# Altium PCB PCB MODULE AM625.PcbDoc (part 1 of 4) (continued)
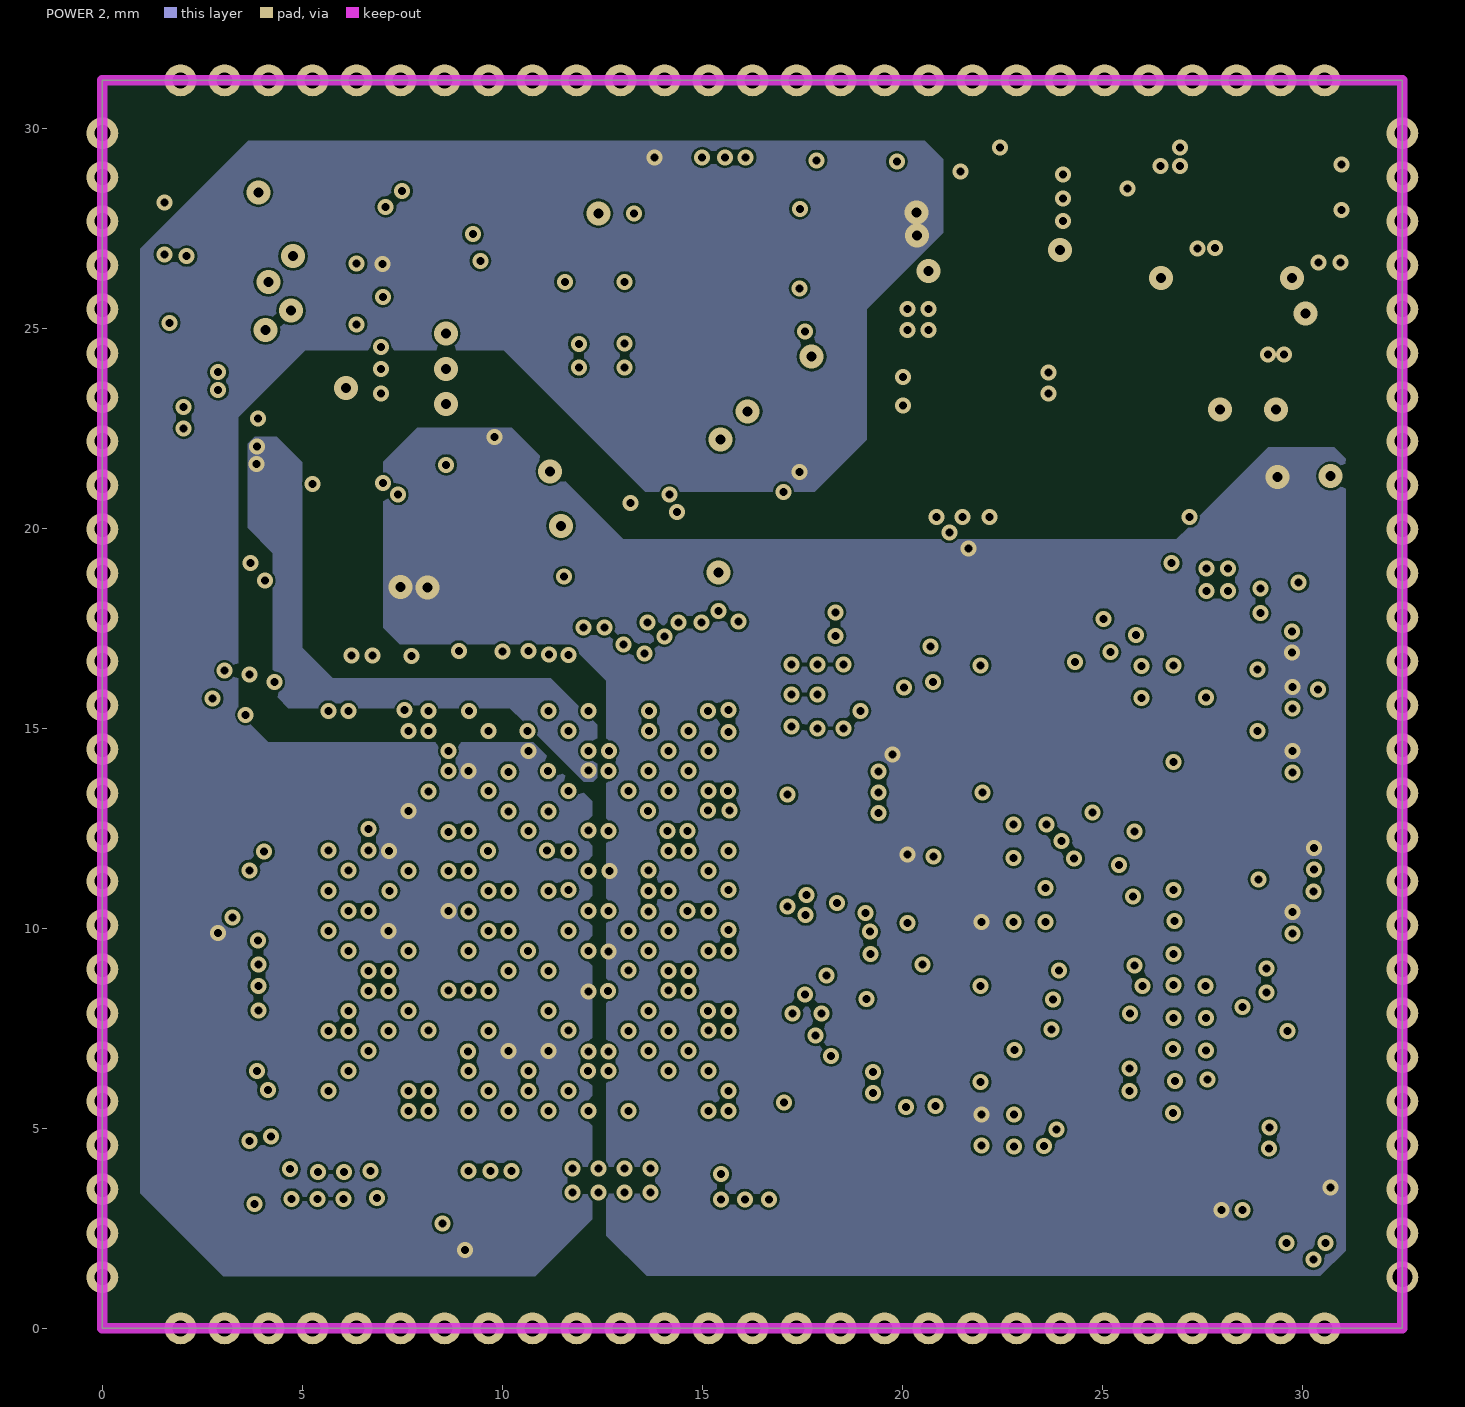
[diagram p7: POWER 2]
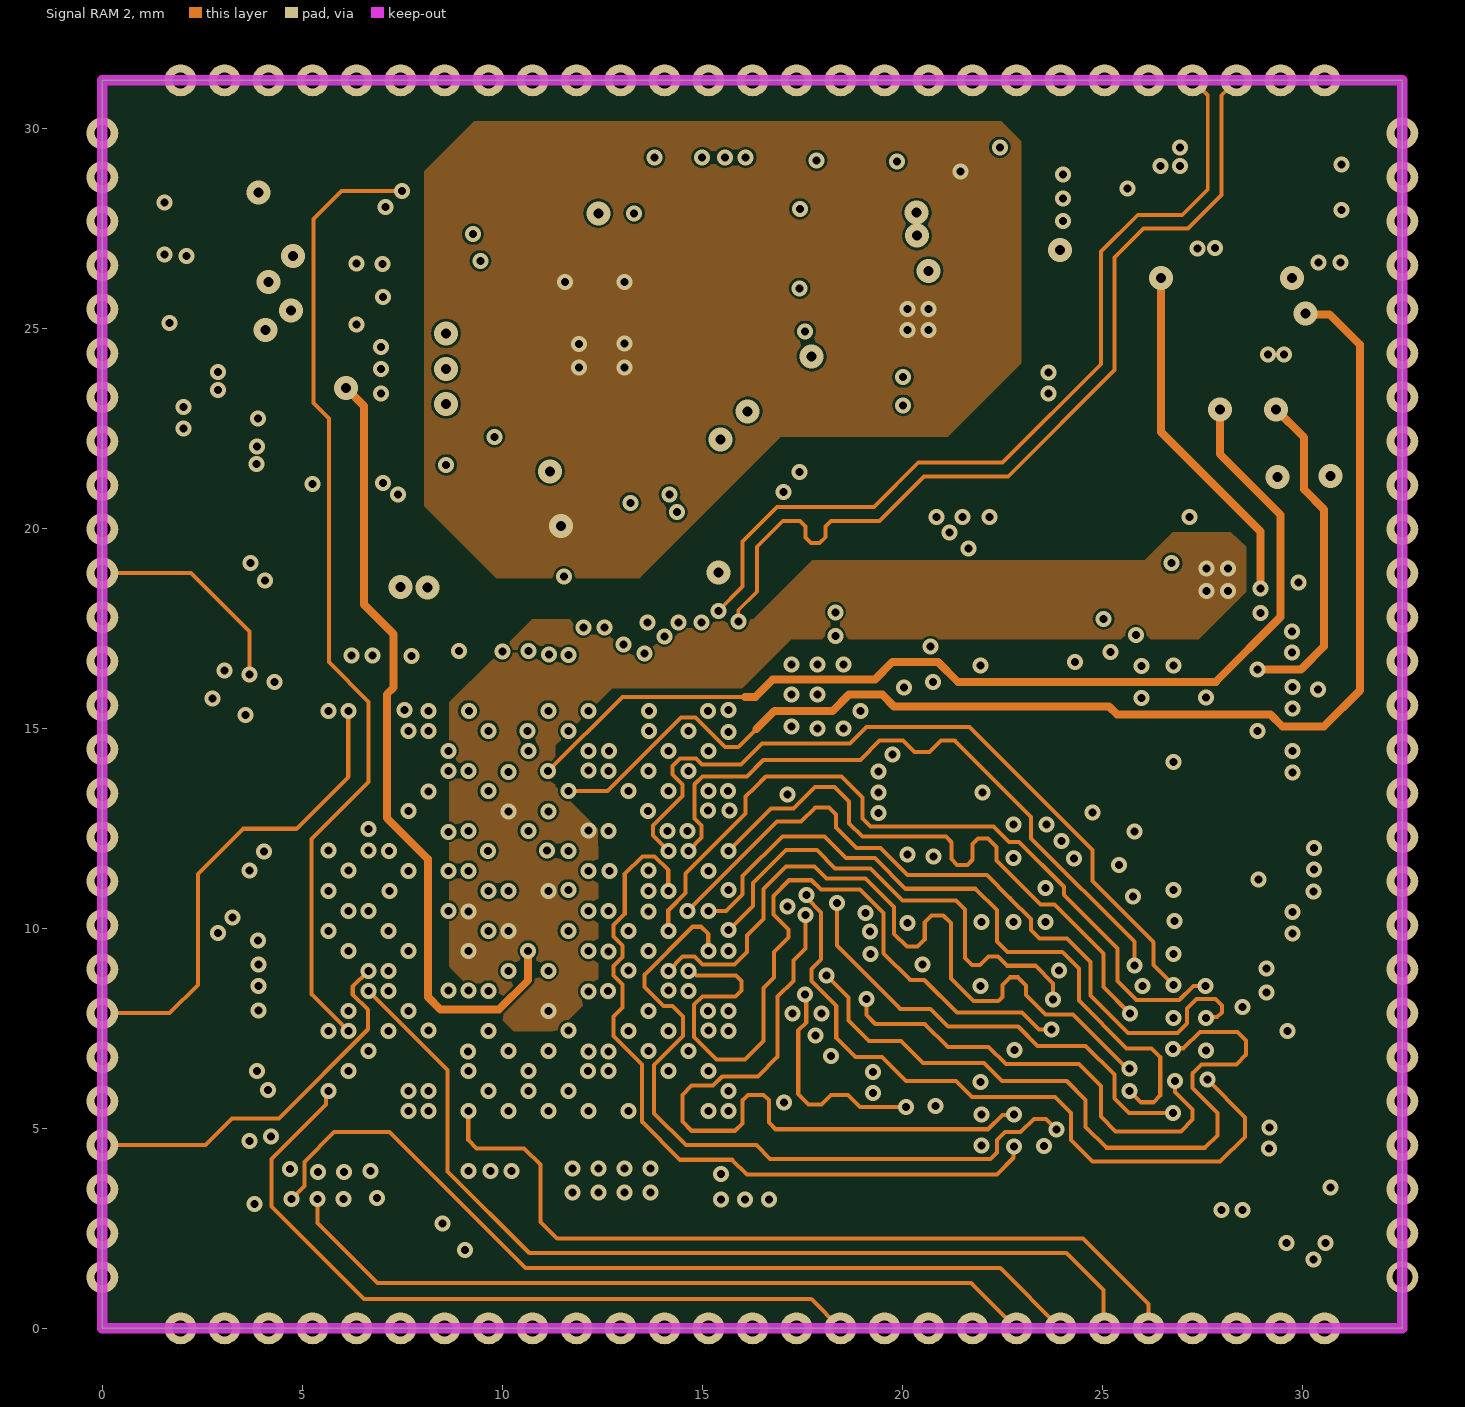
[diagram p8: Signal RAM 2]
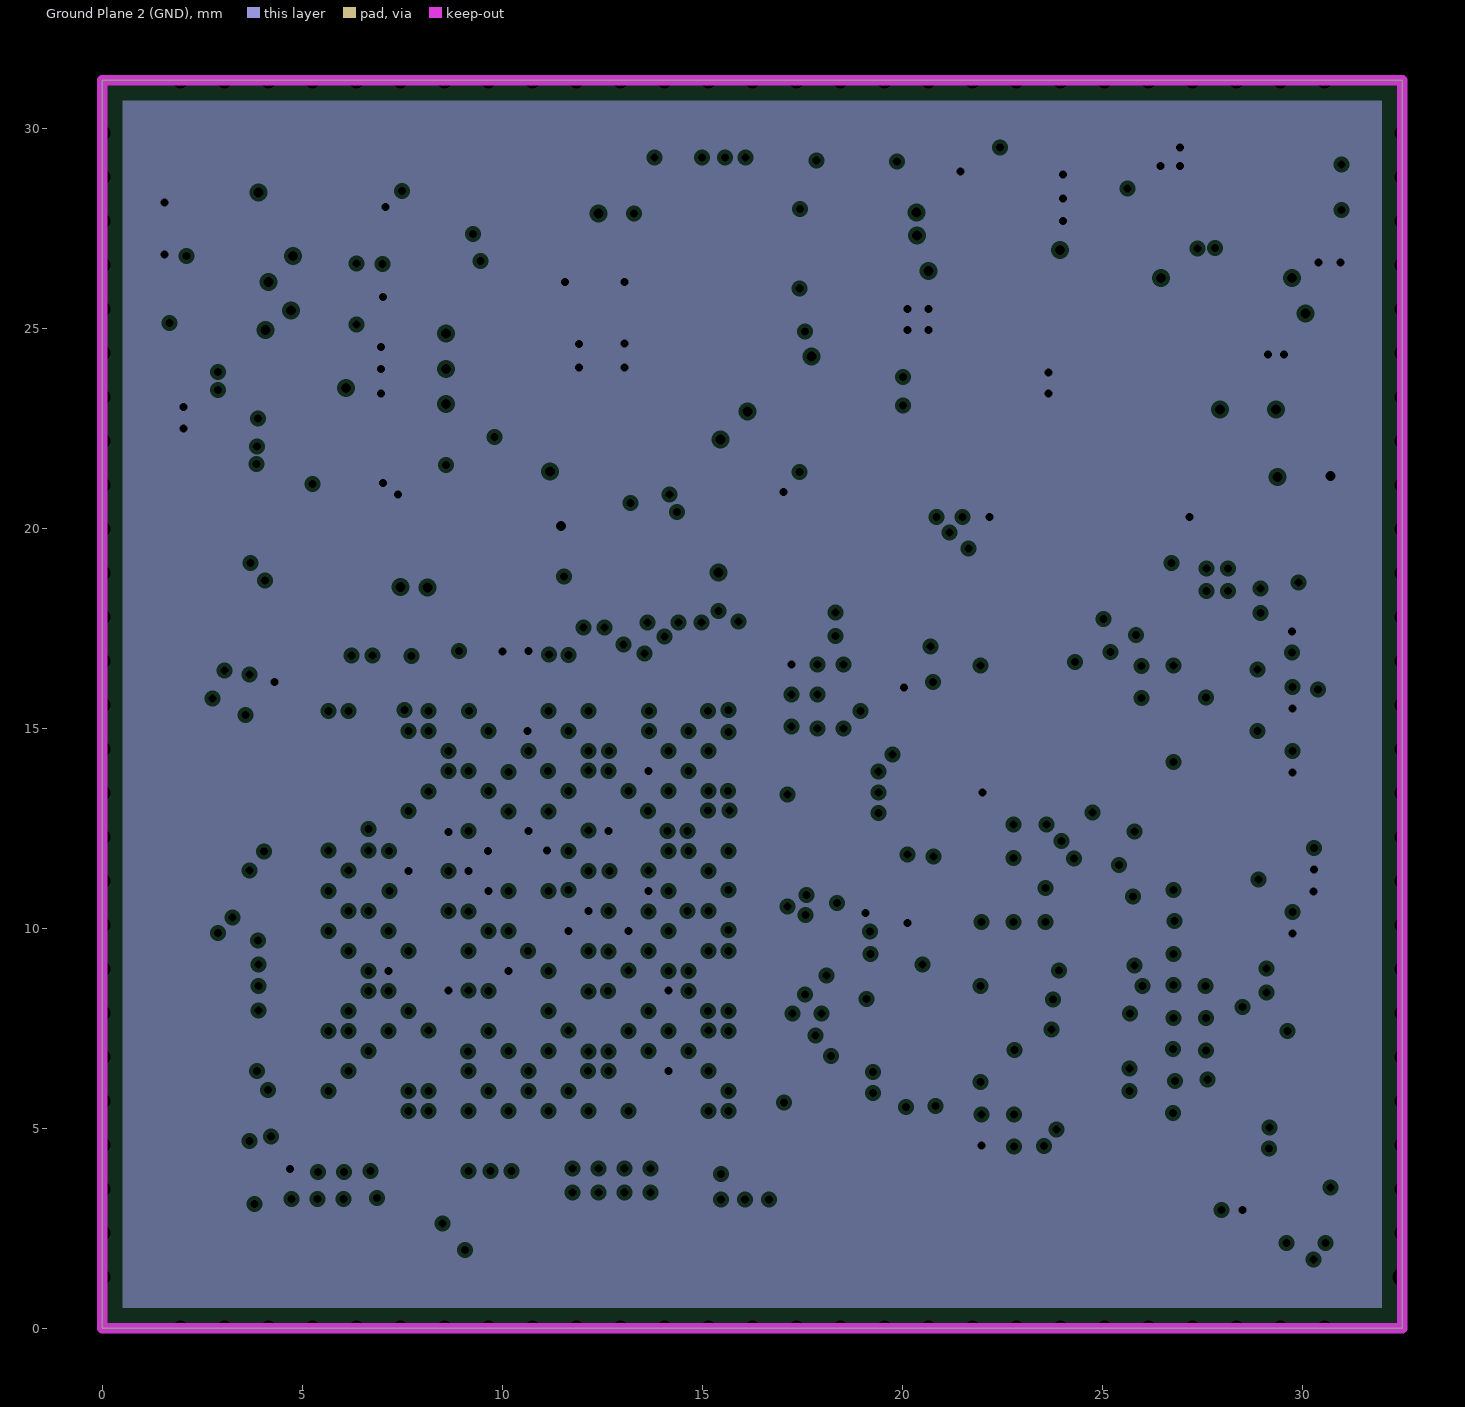
[diagram p9: Ground Plane 2 (GND), clearances drawn from the general rule]

## Layer stack, top to bottom
Top Solder: solder mask 0.02, Solder Resist, Dk 3.5
Signal TOP: signal copper 0.04
Dielectric 1: prepreg 0.072, FR-4, Dk 4.2
Ground Plane 1 (GND): plane copper 0.015, net GND
Dielectric 3: core 0.1, Dk 4.2
Signal RAM 1: signal copper 0.015
Dielectric 6: prepreg 0.201, Dk 4.2
POWER 1: signal copper 0.015
Dielectric 5: core 0.1, Dk 4.2
Signal IO 1: signal copper 0.015
Dielectric 9: prepreg 0.416, PP-006, Dk 4.2
Signal IO 2: signal copper 0.015
Dielectric 2: core 0.1, PP-006, Dk 4.2
POWER 2: signal copper 0.015
Dielectric 4: prepreg 0.202, Dk 4.2
Signal RAM 2: signal copper 0.015
Dielectric 7: core 0.1, Dk 4.2
Ground Plane 2 (GND): plane copper 0.015, net GND
Dielectric 8: prepreg 0.072, Dk 4.2
Signal Bottom: signal copper 0.04
Bottom Solder: solder mask 0.02, Solder Resist, Dk 3.5

## Board outline
0,0 0,31.2 32.5,31.2 32.5,0

## Design rules (kind name [scope] priority, off if disabled: settings)
Clearance "Signal Tracks" [IsTrack and not(InNetClass('DIFF100') or InNetClass('DIFF90')) and (Width <= 0.3) vs IsTrack and (Width <= 0.3)] p1: gap=0.1 ignorepadtopadclearanceinfootprint=TRUE
Clearance "Clearance Non Plated Holes" [InPadClass('NPTH')] p2: gap=0.5 ignorepadtopadclearanceinfootprint=TRUE
Clearance "Pad Clearance" [IsPad vs ispad] p3: gap=0.2 ignorepadtopadclearanceinfootprint=TRUE
Clearance [All] p4: gap=0.064 ignorepadtopadclearanceinfootprint=TRUE
DiffPairsRouting Diffpair_DIFF90DiffPairsRouting [InDifferentialPairClass('DIFF90')] p1: maxlimit=0.132 minlimit=0.104 mostfreqgap=0.132 toplayer_maxgap=0.104 toplayer_prefgap=0.104 toplayer_minwidth=0.099 toplayer_maxwidth=0.099 toplayer_prefwidth=0.099 midlayer1_mingap=0.119 midlayer1_maxgap=0.119 midlayer1_prefgap=0.119 midlayer1_minwidth=0.097 midlayer1_maxwidth=0.097 midlayer1_prefwidth=0.097 midlayer2_mingap=0.127 midlayer2_maxgap=0.127 midlayer2_prefgap=0.127 midlayer2_minwidth=0.104 midlayer2_maxwidth=0.104 midlayer2_prefwidth=0.104 midlayer3_mingap=0.124 midlayer3_maxgap=0.124 midlayer3_prefgap=0.124 midlayer3_minwidth=0.099 midlayer3_maxwidth=0.099 midlayer3_prefwidth=0.099 midlayer4_mingap=0.127 midlayer4_maxgap=0.127 midlayer4_prefgap=0.127 midlayer4_minwidth=0.104 midlayer4_maxwidth=0.104 midlayer4_prefwidth=0.104 midlayer5_mingap=0.132 midlayer5_minwidth=0.109 midlayer5_maxwidth=0.109 midlayer5_prefwidth=0.109 midlayer6_mingap=0.132 midlayer6_minwidth=0.109 midlayer6_maxwidth=0.109 midlayer6_prefwidth=0.109 bottomlayer_maxgap=0.104 bottomlayer_prefgap=0.104 bottomlayer_minwidth=0.099 bottomlayer_maxwidth=0.099 bottomlayer_prefwidth=0.099 maxuncoupledlength=8
DiffPairsRouting Diffpair_DIFF100DiffPairsRouting [InDifferentialPairClass('DIFF100')] p2: maxlimit=0.251 minlimit=0.1 mostfreqgap=0.246 toplayer_prefgap=0.251 toplayer_minwidth=0.099 toplayer_maxwidth=0.104 toplayer_prefwidth=0.104 midlayer1_mingap=0.246 midlayer1_maxgap=0.246 midlayer1_minwidth=0.097 midlayer1_maxwidth=0.097 midlayer1_prefwidth=0.097 midlayer2_mingap=0.127 midlayer2_maxgap=0.127 midlayer2_prefgap=0.127 midlayer2_minwidth=0.079 midlayer2_maxwidth=0.079 midlayer2_prefwidth=0.079 midlayer3_mingap=0.246 midlayer3_maxgap=0.246 midlayer3_minwidth=0.097 midlayer3_maxwidth=0.097 midlayer3_prefwidth=0.097 midlayer4_mingap=0.127 midlayer4_maxgap=0.127 midlayer4_prefgap=0.127 midlayer4_minwidth=0.08 midlayer4_maxwidth=0.08 midlayer4_prefwidth=0.08 midlayer5_mingap=0.246 midlayer5_maxgap=0.246 midlayer5_minwidth=0.104 midlayer5_maxwidth=0.104 midlayer5_prefwidth=0.104 midlayer6_mingap=0.24 midlayer6_maxgap=0.246 midlayer6_minwidth=0.104 midlayer6_maxwidth=0.104 midlayer6_prefwidth=0.104 bottomlayer_mingap=0.251 bottomlayer_prefgap=0.251 bottomlayer_minwidth=0.104 bottomlayer_maxwidth=0.104 bottomlayer_prefwidth=0.104 maxuncoupledlength=9
DiffPairsRouting [All] p3: maxlimit=0.254 minlimit=0.254 mostfreqgap=0.254 toplayer_minwidth=0.381 toplayer_maxwidth=0.381 toplayer_prefwidth=0.381 midlayer1_minwidth=0.381 midlayer1_maxwidth=0.381 midlayer1_prefwidth=0.381 midlayer2_minwidth=0.381 midlayer2_maxwidth=0.381 midlayer2_prefwidth=0.381 midlayer3_minwidth=0.381 midlayer3_maxwidth=0.381 midlayer3_prefwidth=0.381 midlayer4_minwidth=0.381 midlayer4_maxwidth=0.381 midlayer4_prefwidth=0.381 midlayer5_minwidth=0.381 midlayer5_maxwidth=0.381 midlayer5_prefwidth=0.381 midlayer6_minwidth=0.381 midlayer6_maxwidth=0.381 midlayer6_prefwidth=0.381 bottomlayer_minwidth=0.381 bottomlayer_maxwidth=0.381 bottomlayer_prefwidth=0.381 maxuncoupledlength=12.7
HoleSize [All] p1: absolutevalues=TRUE maxlimit=6 minlimit=0.025 maxpercent=80.000 minpercent=20.000
HoleToHoleClearance [All] p1: gap=0.1 allowstackedmicrovias=TRUE
MatchedLengths MatchedLengths_DDR_CLOCKS_STROBES_3 [InxSignalClass('ADDR_PP1') OR InxSignalClass('DATA_BL0') OR InxSignalClass('DATA_BL1')] p1: tolerance=0 checknetsindiffpair=TRUE checkdiffpairvsdiffpair=FALSE checkxsignals=FALSE checkothers=FALSE
MatchedLengths MatchedLengths_DATA_BL1_3 [InxSignalClass('DATA_BL1')] p2: tolerance=0 checknetsindiffpair=FALSE checkdiffpairvsdiffpair=TRUE checkxsignals=TRUE checkothers=TRUE
MatchedLengths MatchedLengths_DATA_BL0_3 [InxSignalClass('DATA_BL0')] p3: tolerance=0 checknetsindiffpair=FALSE checkdiffpairvsdiffpair=TRUE checkxsignals=TRUE checkothers=TRUE
MatchedLengths MatchedLengths_DDR_CLOCKS_STROBES_2 [InxSignalClass('ADDR_PP1') OR InxSignalClass('DATA_BL0') OR InxSignalClass('DATA_BL1')] p4: tolerance=0 checknetsindiffpair=TRUE checkdiffpairvsdiffpair=FALSE checkxsignals=FALSE checkothers=FALSE
MatchedLengths MatchedLengths_DATA_BL1_2 [InxSignalClass('DATA_BL1')] p5: tolerance=0 checknetsindiffpair=FALSE checkdiffpairvsdiffpair=TRUE checkxsignals=TRUE checkothers=TRUE
MatchedLengths MatchedLengths_DATA_BL0_2 [InxSignalClass('DATA_BL0')] p6: tolerance=0 checknetsindiffpair=FALSE checkdiffpairvsdiffpair=TRUE checkxsignals=TRUE checkothers=TRUE
MatchedLengths MatchedLengths_DDR_CLOCKS_STROBES_1 [InxSignalClass('ADDR_PP1') OR InxSignalClass('DATA_BL0_1') OR InxSignalClass('DATA_BL1_1')] p7: tolerance=0 checknetsindiffpair=TRUE checkdiffpairvsdiffpair=FALSE checkxsignals=FALSE checkothers=FALSE
MatchedLengths MatchedLengths_DATA_BL1_1 [InxSignalClass('DATA_BL1_1')] p8: tolerance=0 checknetsindiffpair=FALSE checkdiffpairvsdiffpair=TRUE checkxsignals=TRUE checkothers=TRUE
MatchedLengths MatchedLengths_DATA_BL0_1 [InxSignalClass('DATA_BL0_1')] p9: tolerance=0 checknetsindiffpair=FALSE checkdiffpairvsdiffpair=TRUE checkxsignals=TRUE checkothers=TRUE
MatchedLengths MatchedLengths_ADDR_PP1_1 [InxSignalClass('ADDR_PP1')] p10: tolerance=0 checknetsindiffpair=FALSE checkdiffpairvsdiffpair=TRUE checkxsignals=TRUE checkothers=TRUE
MatchedLengths MatchedLengths_DDR_CLOCKS_STROBES [InxSignalClass('ADDR_PP1') OR InxSignalClass('DATA_BL0') OR InxSignalClass('DATA_BL1')] p11: tolerance=0 checknetsindiffpair=TRUE checkdiffpairvsdiffpair=FALSE checkxsignals=FALSE checkothers=FALSE
MatchedLengths MatchedLengths_DATA_BL1 [InxSignalClass('DATA_BL1')] p12: tolerance=0 checknetsindiffpair=FALSE checkdiffpairvsdiffpair=TRUE checkxsignals=TRUE checkothers=TRUE
MatchedLengths MatchedLengths_DATA_BL0 [InxSignalClass('DATA_BL0')] p13: tolerance=0 checknetsindiffpair=FALSE checkdiffpairvsdiffpair=TRUE checkxsignals=TRUE checkothers=TRUE
MatchedLengths MatchedLengths_ADDR_PP1 [InxSignalClass('ADDR_PP1')] p14: tolerance=0 checknetsindiffpair=FALSE checkdiffpairvsdiffpair=TRUE checkxsignals=TRUE checkothers=TRUE
MinimumSolderMaskSliver [All] p1: minsoldermaskwidth=0.1
PlaneClearance [All] p1: clearance=0.1
PlaneConnect [All] p1: planeconnectstyle=Direct reliefexpansion=0.508 reliefentries=4 reliefconductorwidth=0.254 reliefairgap=0.254
PolygonConnect [All] p1: connectstyle=Direct reliefconductorwidth=0.254 reliefentries=4 polygonreliefangle="90 Angle" airgapwidth=0.254
RoutingTopology RoutingTopology_DDRAddressAndControls_3 [InNetClass('DDR_AddressAndControls_3')] p1: topology=Daisy_Simple
RoutingTopology RoutingTopology_DDRAddressAndControls_2 [InNetClass('DDR_AddressAndControls_2')] p2: topology=Daisy_Simple
RoutingTopology RoutingTopology_DDRAddressAndControls_1 [InNetClass('DDR_AddressAndControls_1')] p3: topology=Daisy_Simple
RoutingTopology RoutingTopology_DDRAddressAndControls [InNetClass('DDR_AddressAndControls')] p4: topology=Daisy_Simple
RoutingTopology [All] p5: topology=Shortest
RoutingVias [All] p1: holewidth=0.25 width=0.6 viastyle="Through Hole" minholewidth=0.2 minwidth=0.4 maxholewidth=0.3 maxwidth=0.7
SilkToSilkClearance [All] p1: silktosilkclearance=0
SilkToSolderMaskClearance [IsPad] p1: minsilkscreentomaskgap=0.1 clearancetoexposedcopper=TRUE
SolderMaskExpansion [All] p1: expansion=0.102
Width "Width Power" [InNet('VCC_1V8') or InNet('VCC_3V3_MAIN') or InNet('VCC_3V3_SYS') or InNet('VCC_CORE') or InNet('VDD_1V2') OR InNet('VDDA_PLL2') OR InNet('VDDA_CORE_CSI') OR InNet('VDDA_CORE_USB')] p1: maxlimit=0.4 minlimit=0.15 preferedwidth=0.2 minimp=50.000000 maximp=50.000000 favimp=50.000000
Width "Width Ground" [InNet('GND')] p2: maxlimit=0.4 minlimit=0.1 preferedwidth=0.2 midlayer1_minwidth=0.15 midlayer2_minwidth=0.15 midlayer3_minwidth=0.15 midlayer4_minwidth=0.15 midlayer5_minwidth=0.15 midlayer6_minwidth=0.15 bottomlayer_minwidth=0.15 minimp=50.000000 maximp=50.000000 favimp=50.000000
Width DiffPair_DIFF100Width [InNetClass('DIFF100')] p3: maxlimit=0.254 minlimit=0.079 preferedwidth=0.104 toplayer_minwidth=0.104 midlayer1_minwidth=0.097 midlayer1_prefwidth=0.097 midlayer2_prefwidth=0.079 midlayer3_minwidth=0.097 midlayer3_prefwidth=0.097 midlayer4_prefwidth=0.079 midlayer5_minwidth=0.104 midlayer6_minwidth=0.104 bottomlayer_minwidth=0.104 minimp=50.000000 maximp=50.000000 favimp=50.000000
Width DiffPair_DIFF90Width [InNetClass('DIFF90')] p4: maxlimit=0.254 minlimit=0.097 preferedwidth=0.109 toplayer_minwidth=0.099 toplayer_prefwidth=0.099 midlayer1_prefwidth=0.097 midlayer2_minwidth=0.104 midlayer2_prefwidth=0.104 midlayer3_minwidth=0.099 midlayer3_prefwidth=0.099 midlayer4_minwidth=0.104 midlayer4_prefwidth=0.104 midlayer5_minwidth=0.109 midlayer6_minwidth=0.109 bottomlayer_minwidth=0.099 bottomlayer_prefwidth=0.099 minimp=50.000000 maximp=50.000000 favimp=50.000000
Width [All] p5: maxlimit=0.2 minlimit=0.09 preferedwidth=0.122 toplayer_prefwidth=0.117 midlayer1_minwidth=0.102 midlayer1_maxwidth=0.102 midlayer1_prefwidth=0.102 midlayer2_minwidth=0.11 midlayer2_maxwidth=0.11 midlayer2_prefwidth=0.11 midlayer3_minwidth=0.102 midlayer3_maxwidth=0.102 midlayer3_prefwidth=0.102 midlayer4_minwidth=0.11 midlayer4_maxwidth=0.11 midlayer4_prefwidth=0.11 midlayer5_minwidth=0.122 midlayer5_maxwidth=0.122 midlayer6_minwidth=0.122 midlayer6_maxwidth=0.122 bottomlayer_minwidth=0.117 bottomlayer_maxwidth=0.117 bottomlayer_prefwidth=0.117 minimp=50.000000 maximp=50.000000 favimp=50.000000
21 further rules are at their usual default settings.

## Classes and differential pairs
differential pair class DIFF100: DDR_CLK DDR_LDQS DDR_UDQS OLDI0_A0 OLDI0_A1 OLDI0_A2 OLDI0_A3 OLDI0_A4 OLDI0_A5 OLDI0_A6 OLDI0_A7 OLDI0_CLK0 OLDI0_CLK1
differential pair class DIFF90: USB0 USB1
net class DRAM_SDCLK: DDR_CLK_N DDR_CLK_P
net class DRAM_BANK1: DDR_DQ8 DDR_DQ9 DDR_DQ10 DDR_DQ11 DDR_DQ12 DDR_DQ13 DDR_DQ14 DDR_DQ15 DDR_UDM DDR_UDQS_N DDR_UDQS_P
net class DRAM_BANK0: DDR_DQ0 DDR_DQ1 DDR_DQ2 DDR_DQ3 DDR_DQ4 DDR_DQ5 DDR_DQ6 DDR_DQ7 DDR_LDM DDR_LDQS_N DDR_LDQS_P
net class DRAM_ADDR_CTRL: DDR_A0 DDR_A1 DDR_A2 DDR_A3 DDR_A4 DDR_A5 DDR_A6 DDR_A7 DDR_A8 DDR_A9 DDR_A10 DDR_A11 DDR_A12 DDR_A13 DDR_A14_WEn DDR_A15_CAS DDR_A16_RAS DDR_ACTn DDR_ALERTn DDR_BA0 DDR_BA1 DDR_BG0 DDR_CKE DDR_CSn DDR_ODT DDR_PARITY
net class DDR_DQ[15..0]: DDR_DQ0 DDR_DQ1 DDR_DQ2 DDR_DQ3 DDR_DQ4 DDR_DQ5 DDR_DQ6 DDR_DQ7 DDR_DQ8 DDR_DQ9 DDR_DQ10 DDR_DQ11 DDR_DQ12 DDR_DQ13 DDR_DQ14 DDR_DQ15
net class DDR_A[13..0]: DDR_A0 DDR_A1 DDR_A2 DDR_A3 DDR_A4 DDR_A5 DDR_A6 DDR_A7 DDR_A8 DDR_A9 DDR_A10 DDR_A11 DDR_A12 DDR_A13
net class USB1: USB1_N USB1_P
net class USB0: USB0_N USB0_P
net class OLDI0: OLDI0_A0_N OLDI0_A0_P OLDI0_A1_N OLDI0_A1_P OLDI0_A2_N OLDI0_A2_P OLDI0_A3_N OLDI0_A3_P OLDI0_A4_N OLDI0_A4_P OLDI0_A5_N OLDI0_A5_P OLDI0_A6_N OLDI0_A6_P OLDI0_A7_N OLDI0_A7_P OLDI0_CLK0_N OLDI0_CLK0_P OLDI0_CLK1_N OLDI0_CLK1_P
net class JTAG: SoC_EMU0 SoC_EMU1 SoC_TCK SoC_TDI SoC_TDO SoC_TMS SoC_TRST#
net class eMMC: NetR13_2 SOC_MMC0_CLK SOC_MMC0_CMD SOC_MMC0_DAT0 SOC_MMC0_DAT1 SOC_MMC0_DAT2 SOC_MMC0_DAT3 SOC_MMC0_DAT4 SOC_MMC0_DAT5 SOC_MMC0_DAT6 SOC_MMC0_DAT7
net class DIFF100: DDR_CLK_N DDR_CLK_P DDR_LDQS_N DDR_LDQS_P DDR_UDQS_N DDR_UDQS_P OLDI0_A0_N OLDI0_A0_P OLDI0_A1_N OLDI0_A1_P OLDI0_A2_N OLDI0_A2_P OLDI0_A3_N OLDI0_A3_P OLDI0_A4_N OLDI0_A4_P OLDI0_A5_N OLDI0_A5_P OLDI0_A6_N OLDI0_A6_P OLDI0_A7_N OLDI0_A7_P OLDI0_CLK0_N OLDI0_CLK0_P OLDI0_CLK1_N OLDI0_CLK1_P
net class DIFF90: USB0_N USB0_P USB1_N USB1_P
differential pair DDR_UDQS: +DDR_UDQS_P -DDR_UDQS_N
differential pair DDR_LDQS: +DDR_LDQS_P -DDR_LDQS_N
differential pair DDR_CLK: +DDR_CLK_P -DDR_CLK_N
differential pair USB1: +USB1_P -USB1_N
differential pair USB0: +USB0_P -USB0_N
differential pair OLDI0_CLK1: +OLDI0_CLK1_P -OLDI0_CLK1_N
differential pair OLDI0_CLK0: +OLDI0_CLK0_P -OLDI0_CLK0_N
differential pair OLDI0_A7: +OLDI0_A7_P -OLDI0_A7_N
differential pair OLDI0_A6: +OLDI0_A6_P -OLDI0_A6_N
differential pair OLDI0_A5: +OLDI0_A5_P -OLDI0_A5_N
differential pair OLDI0_A4: +OLDI0_A4_P -OLDI0_A4_N
differential pair OLDI0_A3: +OLDI0_A3_P -OLDI0_A3_N
differential pair OLDI0_A2: +OLDI0_A2_P -OLDI0_A2_N
differential pair OLDI0_A1: +OLDI0_A1_P -OLDI0_A1_N
differential pair OLDI0_A0: +OLDI0_A0_P -OLDI0_A0_N

## Components (designator, comment, footprint, x,y, rotation, side; value= is the part's Value field where it differs from the comment)
C1 "10n" C0201 30.6,10.135 r90 top
C2 "100n" C0201 20.13,16.751 r90 top
C3 "100n" C0201 29.915,3.75 r0 top
C4 "2u2" C0402 6.096,22.712 r0 top
C5 "10n" C0201 29.385,17.152 r270 top
C6 "10n" C0201 29.387,15.76 r90 top
C7 "10n" C0201 29.387,14.16 r90 top
C8 "10n" C0201 29.935,11.733 r90 top
C9 "22u / 10V" C0603 30.109,20.4 r0 top
C10 "100n" C0201 29.488,19.008 r180 top
C11 "10n" C0201 29.387,11.733 r90 top
C12 "10n" C0201 28.217,3.314 r180 top
C13 "10n" C0201 29.387,10.135 r90 top
C14 "10n" C0201 20.13,10.9 r90 top
C15 "10n" C0201 20.13,14.085 r90 top
C16 "10n" C0201 21.973,18.49 r180 top
C17 "10n" C0201 20.13,15.393 r270 top
C18 "10n" C0201 20.13,12.812 r270 top
C19 "100n" C0201 20.13,9.354 r90 top
C20 "100n" C0201 30.725,18.469 r180 top
C21 "100n" C0201 30.715,19.008 r180 top
C22 "47uF" C0805 24.879,22.022 r270 top
C23 "10uF" C0603 23.366,21.768 r270 top
C24 "4u7" C0402 18.827,24.37 r0 top
C25 "4u7" C0402 18.827,25.177 r0 top
C26 "4u7" C0402 11.121,20.8 r180 top
C27 "4u7" C0402 15.3,20.85 r0 top
C28 "47uF" C0805 17.571,19.568 r180 top
C29 "2u2" C0402 18.824,25.992 r0 top
C30 "2u2" C0402 11.522,28.771 r90 top
C31 "47uF" C0805 8.443,19.693 r0 top
C32 "2u2" C0402 8.097,24.871 r180 top
C33 "2u2" C0402 18.826,26.818 r0 top
C34 "4u7" C0402 8.097,23.105 r180 top
C35 "2u2" C0402 8.097,25.754 r180 top
C36 "2u2" C0402 8.097,23.988 r180 top
C37 "2u2" C0402 8.097,22.222 r180 top
C38 "2u2" C0402 12.4,28.771 r90 top
C39 "1uF / 6.3V" C0201 21.09,25.822 r270 top
C40 "10uF" C0603 27.611,28.365 r270 top
C41 "1u" C0402 26.464,28.115 r90 top value=1uF
C42 "1uF / 6.3V" C0201 26.013,25.84 r270 top
C43 "100n" C0402 21.938,28.394 r90 top value=100nF
C44 "18PF" C0402 11.467,2.068 r270 top
C45 "18PF" C0402 15.512,2.012 r90 top
C46 "9PF" C0402 18.826,2.245 r90 top
C47 "9PF" C0402 23.911,2.25 r90 top
C48 "1uF" C0201 9.4,7.965 r180 bottom
C49 "1uF" C0201 8.149,9.186 r90 bottom
C50 "1uF" C0201 8.899,13.425 r0 bottom
C51 "1uF" C0201 7.914,10.936 r0 bottom
C52 "1uF" C0201 13.399,12.436 r180 bottom
C53 "1uF" C0201 8.653,7.686 r90 bottom
C54 "1uF" C0201 7.65,8.686 r90 bottom
C55 "1uF" C0201 10.9,7.436 r180 bottom
C56 "1uF" C0201 12.375,7.41 r180 bottom
C57 "2p2" C0201 13.134,8.205 r270 bottom
C58 "100n" C0201 9.665,14.186 r90 bottom
C59 "10n" C0201 2.248,23.424 r180 top
C60 "4.7uF" C0201 2.248,23.906 r180 top
C61 "100n" C0201 10.869,13.425 r180 bottom
C62 "10n" C0201 29.584,25 r270 top
C63 "4.7uF" C0201 29.089,25 r270 top
C64 "1uF / 6.3V" C0201 7.884,6.917 r0 bottom
C65 "100n" C0201 11.399,12.441 r180 bottom
C66 "10n" C0201 6.425,27.243 r0 top
C67 "1uF / 6.3V" C0201 6.425,27.771 r0 top
C68 "100n" C0201 11.646,14.173 r270 bottom
C69 "10n" C0201 6.425,25.55 r0 top
C70 "4.7uF" C0201 6.425,26.05 r0 top
C71 "100n" C0201 8.899,11.921 r180 bottom
C72 "10n" C0201 1.825,26.161 r180 top
C73 "1uF / 6.3V" C0201 1.825,25.671 r180 top
C74 "100n" C0201 11.164,14.686 r90 bottom
C75 "10n" C0201 28.2,23.69 r90 top
C76 "4.7uF" C0201 27.7,23.69 r90 top
C77 "100n" C0201 11.65,9.186 r270 bottom
C78 "10n" C0201 1.825,27.771 r180 top
C79 "1uF / 6.3V" C0201 1.825,27.2 r180 top
C80 "100n" C0201 10.648,10.245 r90 bottom
C81 "10n" C0201 6.357,23.988 r0 top
C82 "1uF / 6.3V" C0201 6.357,24.53 r0 top
C83 "100n" C0201 13.15,6.675 r270 bottom
C84 "10n" C0201 29.595,23.69 r90 top
C85 "4.7uF" C0201 29.1,23.69 r90 top
C86 "100n" C0201 12.4,13.429 r180 bottom
C87 "1uF / 6.3V" C0201 2.248,22.1 r180 top
C88 "10uF" C0603 24.194,19.782 r180 top
C89 "4.7uF" C0201 22.444,19.41 r180 top
C90 "1uF" C0201 22.444,19.89 r180 top
C91 "100n" C0201 11.164,9.671 r90 bottom
C92 "100n" C0201 10.634,8.686 r270 bottom
C93 "100n" C0201 11.385,11.436 r180 bottom
C94 "100n" C0201 14.4,7.94 r0 bottom
C95 "100n" C0201 12.899,12.971 r180 bottom
C96 "100n" C0201 8.18,11.7 r90 bottom
C97 "100n" C0201 8.649,9.186 r90 bottom
C98 "100n" C0201 11.895,12.926 r0 bottom
C99 "100n" C0201 9.4,12.926 r180 bottom
C100 "100n" C0201 9.93,9.422 r0 bottom
C101 "100n" C0201 12.414,10.936 r180 bottom